# Altium PCB FOC_DRIVER.PcbDoc (part 1 of 4) (continued)
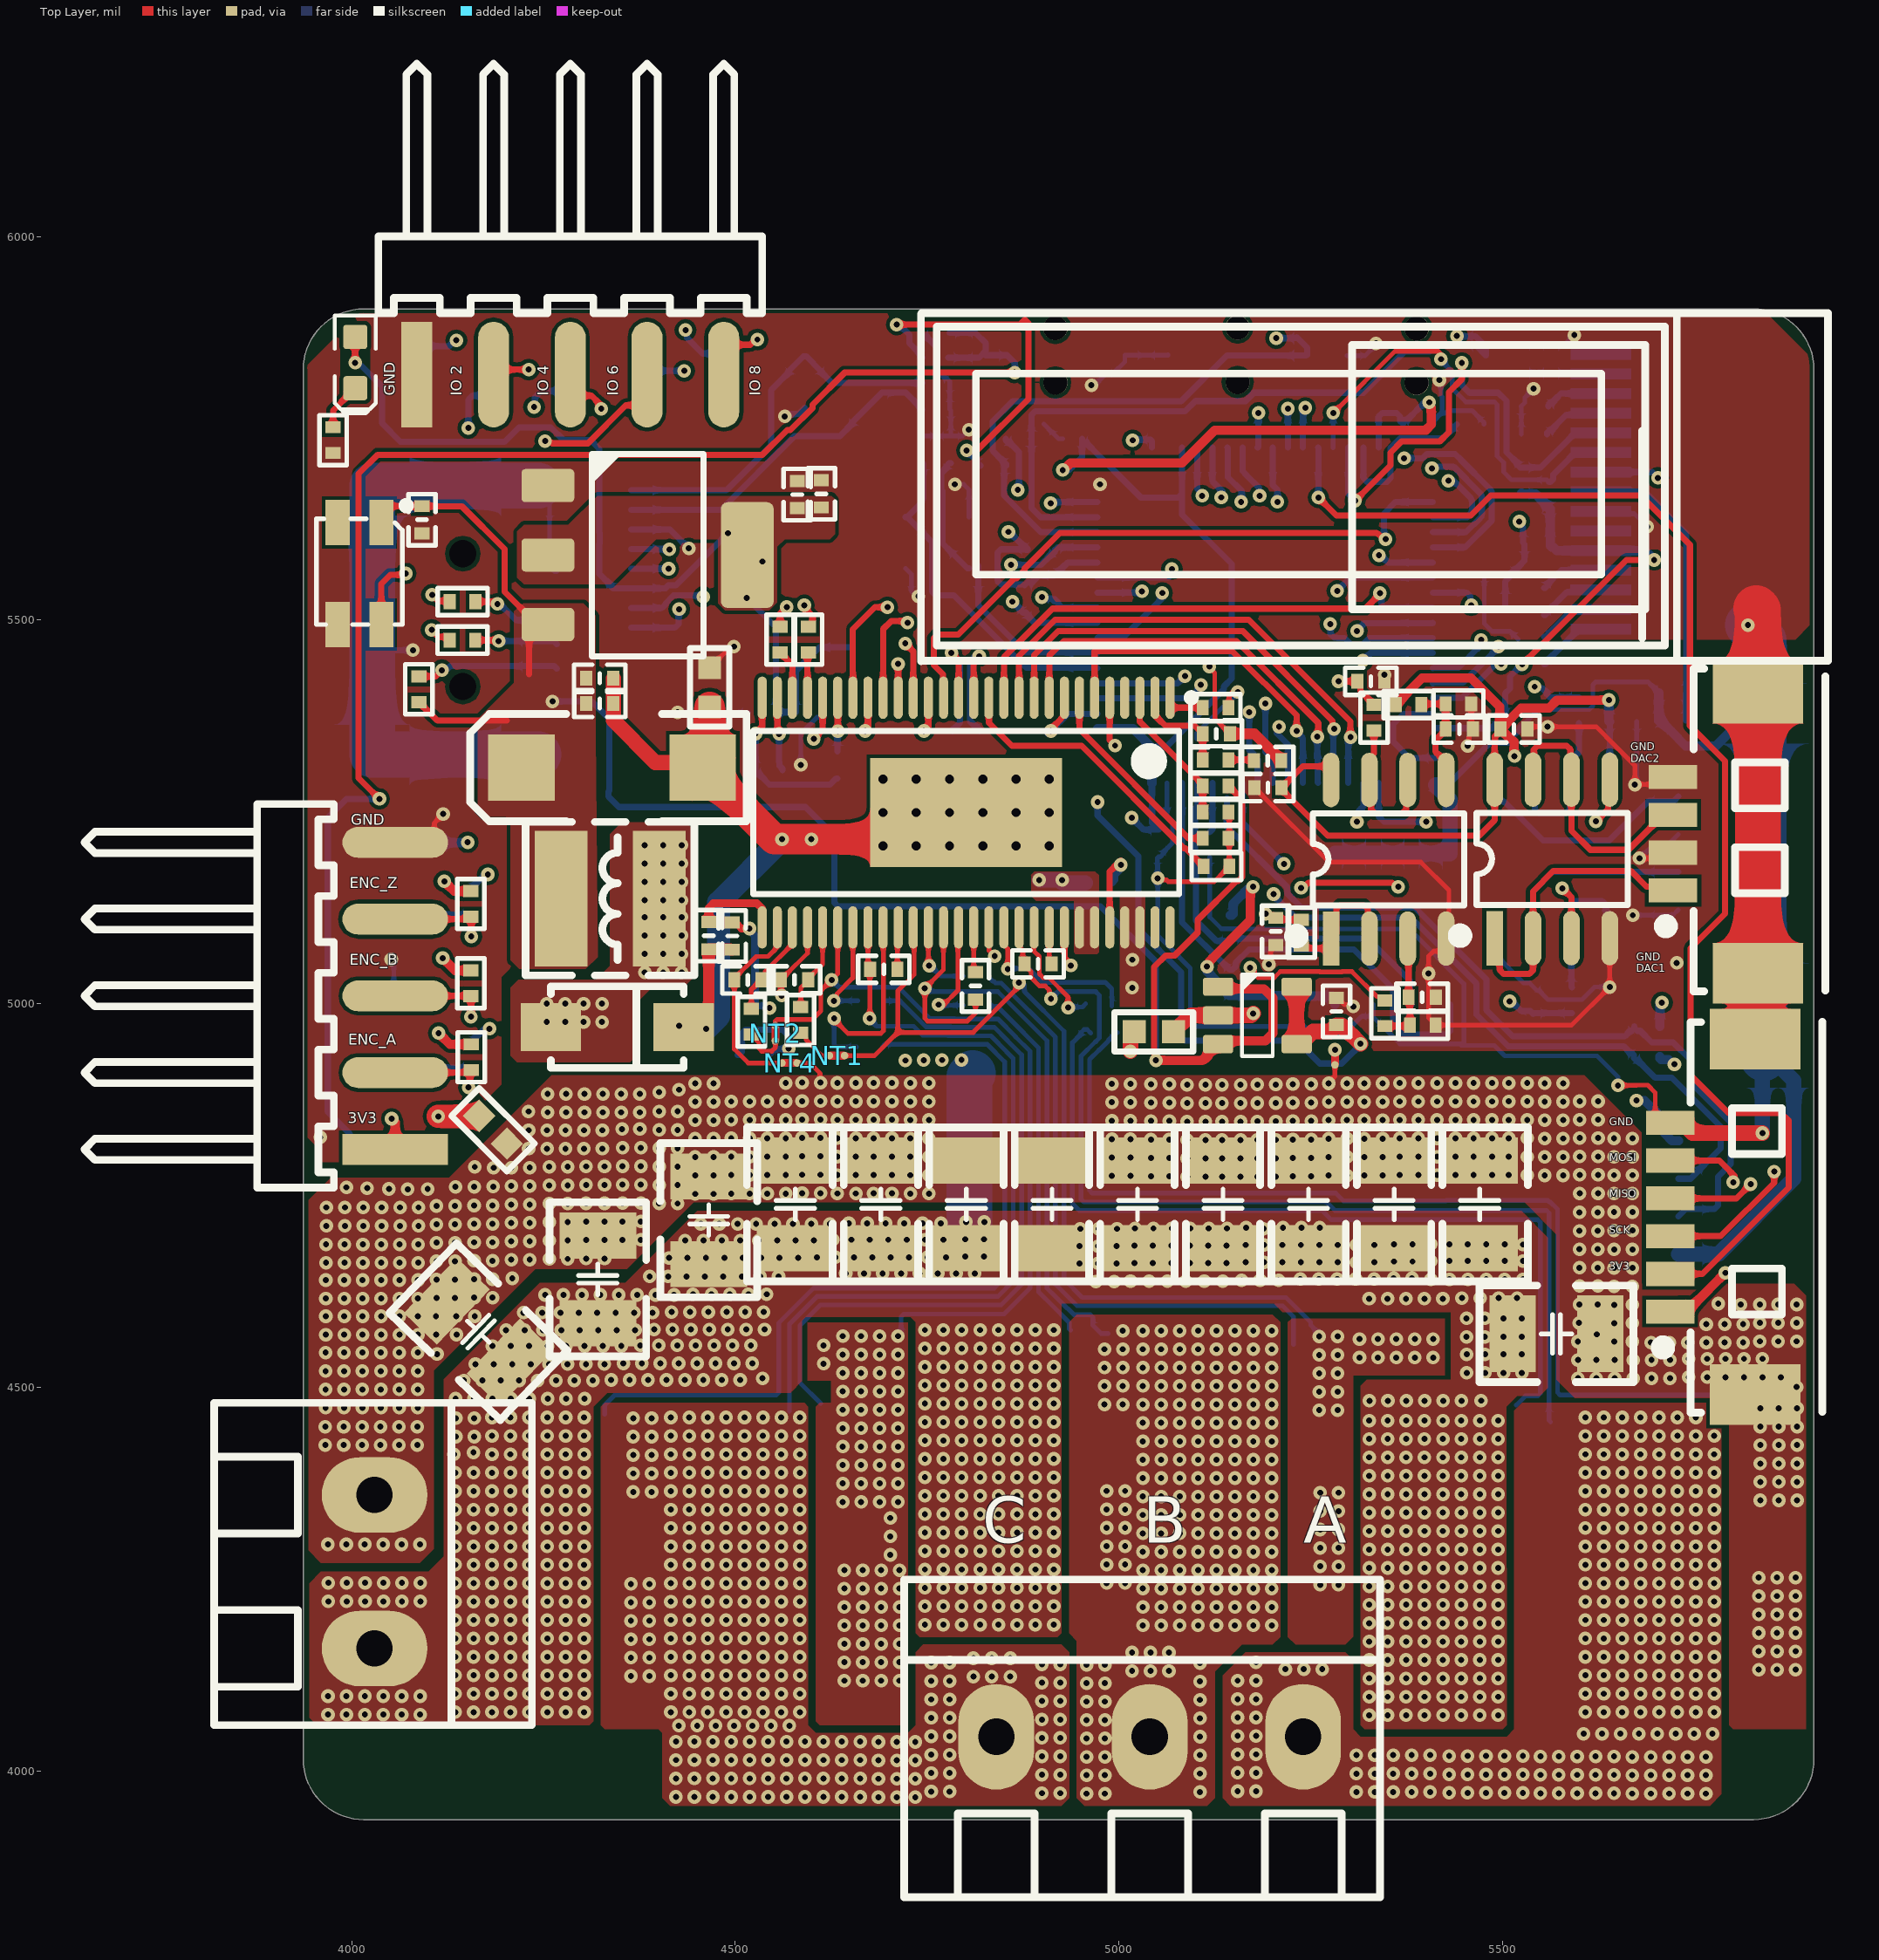
[diagram p0: Top Layer view]
## Footprints (in the part's own frame and the unit in brackets; to place one, negate y for a bottom-side part, rotate by r counter-clockwise, add the part's x,y. Pads: shape width x height; smd on the part's side, far side on the other; paste and mask are expansions set on the pad) (continued)
  rect 3.61x6.35 smd: 57(0,0)
  silkscreen extent -3.92,-7.05 2.7,7.58, body extent -3.1,-7.05 3.1,7.05, height 1.2
USB-MINI-A [mm] "MINI型USB，7.9*7.5*4.1mm"
  rect 0.5x2.3 smd: 1(-1.6,3.108) 2(-0.8,3.108) 3(0,3.108) 4(0.8,3.108) 5(1.6,3.108)
  rect 2x2.5 smd: 5(-4.45,-3) 5(-4.45,2.5) 5(4.45,-3) 5(4.45,2.5)
  round 0.6 hole 0.9 unplated: MH1(2.2,0) MH2(-2.2,0)
  silkscreen extent -4.95,-5.95 4.95,4.89, body extent -4.75,-6 4.75,3.7, height 3.95

## Part data
2 R1 R2 R3 R4 R5 R6 R7 R8 R9 R10 R11 R12 R13 R14 R15 R17 R18 R19 R20 R21 R22 R23 R24 R26 R27 R28 R30 R31 R32 R33 R35 R36 R37 R40 R41 R42 R43 R44 R45 R46 R47 R48 R49 R50 R51 R52 R53 R54 R55: library part R, "贴片电阻", BOM名称=贴片电阻, 版权归属=源创客, 学习资源=www.ooocke.com
C1 C2 C3 C4 C5 C6 C7 C8 C9 C10 C11 C12 C13 C14 C15 C16 C17 C18 C20 C21 C22 C23 C24 C25 C26 C27 C28 C29 C30 C31 C32 C35 C36 C39 C40 C41 C42 C45 C46 C47 C48 C49 C50 C51 C52 C53 C54 C55 C56 C57 C58 C59 C60 C61 C62 C63 C64 C65 C66 C67 C68 C69 C70 C71 C72 C73 C74 C75 C76: library part C, "无极性贴片电容", BOM名称=无极性贴片电容, 版权归属=源创客, 学习资源=www.ooocke.com
D1: "高速开关二极管", BOM名称=高速开关二极管, 版权归属=源创客, 学习资源=www.ooocke.com
D6: "肖特基二极管", BOM名称=肖特基二极管, 版权归属=源创客, 属性=40V/3A, 学习资源=www.ooocke.com
E1: library part C-CD, "贴片钽电容", BOM名称=贴片钽电容, 版权归属=源创客, 学习资源=www.ooocke.com
IC1 IC3 IC4: "双路运放", BOM名称=双路运放, 版权归属=源创客, 学习资源=www.ooocke.com
IC2: "外置EEPROM", BOM名称=外置EEPROM, 版权归属=源创客, 学习资源=www.ooocke.com
JP1 JP3 JP4: library part "Header 4", "4P接插件", BOM名称=4P接插件, 版权归属=源创客, 学习资源=www.ooocke.com
JP2: library part "Header 6", "6P接插件", BOM名称=6P接插件, 版权归属=源创客, 学习资源=www.ooocke.com
JP5 JP6 JP10 JP11: library part "Header 5", "5P接插件", BOM名称=5P接插件, 版权归属=源创客, 学习资源=www.ooocke.com
JP9: library part "Header 3", "3P接插件", BOM名称=3P接插件, 版权归属=源创客, 学习资源=www.ooocke.com
JP12: library part "Header 2", "2P接插件", BOM名称=2P接插件, 版权归属=源创客, 学习资源=www.ooocke.com
L1: library part L-CD, "贴片功率电感", BOM名称=功率电感, 版权归属=源创客, 学习资源=www.ooocke.com
LED1: library part LTST-C190KGKT, "LED GREEN CLEAR 0603 SMD", Current - Test=20mA, Lens Color=Colorless, Manufacturer="Lite-On Inc.", Millicandela Rating=35mcd, Package / Case="0603 (1608 Metric)", Supplier Part Number 1=160-1435-1-ND, Voltage - Forward (Vf) (Typ)=2V, Category=Optoelectronics, Color=Green, ComponentLink1Description=http://optoelectronics.liteon.com/upload/download/DS22-2000-074/S_110_LTST-C190KGKT.pdf, ComponentLink1URL=http://optoelectronics.liteon.com/upload/download/DS22-2000-074/S_110_LTST-C190KGKT.pdf, Features=-, Height (Max)=0.80mm, Lens Style/Size="Rectangle with Flat Top, 1.10mm x 0.80mm", Lens Transparency=Clear, Manufacturer Part Number=LTST-C190KGKT, Mounting Type="Surface Mount", Packaging="Cut Tape (CT)", Part Status=Active, Pricing 1="1=0.27, 10=0.196, 25=0.1448, 100=0.1034, 250=0.07032, 500=0.06204, 1000=0.0486 (USD)", RoHS="RoHS Compliant", Size / Dimension="1.60mm L x 0.80mm W", Stock=922756, Supplier 1=Digi-Key, Viewing Angle=130°, Wavelength - Dominant=571nm, Wavelength - Peak=574nm
NT1 NT2 NT3 NT4: library part NetTie_0.25mm
Q1 Q2 Q3 Q4 Q5 Q6 Q7 Q8 Q9 Q10 Q11 Q12: library part NTMFS4935NT1G, "MOSFET N-CH 30V 13A SO8FL", Current - Continuous Drain (Id) @ 25°C="13A (Ta), 93A (Tc)", Drain to Source Voltage (Vdss)=30V, Drive Voltage (Max Rds On,  Min Rds On)="4.5V, 10V", Input Capacitance (Ciss) (Max) @ Vds="4850pF @ 15V", Manufacturer="ON Semiconductor", Operating Temperature="-55°C ~ 150°C (TJ)", Package / Case="8-PowerTDFN, 5 Leads", Power Dissipation (Max)="930mW (Ta), 48W (Tc)", Supplier Device Package="5-DFN (5x6) (8-SOFL)", Supplier Part Number 1=NTMFS4935NT1GOSCT-ND, Category="Discrete Semiconductor Products", ComponentLink1Description=http://www.onsemi.com/pub_link/Collateral/NTMFS4935N-D.PDF, ComponentLink1URL=http://www.onsemi.com/pub_link/Collateral/NTMFS4935N-D.PDF, FET Feature=-, FET Type=N-Channel, Gate Charge (Qg) (Max) @ Vgs="49.4nC @ 10V", Manufacturer Part Number=NTMFS4935NT1G, Mounting Type="Surface Mount", Packaging="Cut Tape (CT)", Part Status=Active, Pricing 1="1=0.61, 10=0.541, 100=0.4145, 500=0.3277 (USD)", Rds On (Max) @ Id, Vgs="3.2 mOhm @ 30A, 10V", RoHS="RoHS Compliant", Stock 1=932, Supplier 1=Digi-Key, Technology="MOSFET (Metal Oxide)", Vgs (Max)=±20V, Vgs(th) (Max) @ Id="2.2V @ 250µA"
S1 S2 S3: library part KEY_2P, "轻触按键2P"
U1: library part STM32F405RGT6, "ARM Cortex-M4 32-bit MCU+FPU, 210 DMIPS, 1024 kB Flash, 192 kB Internal RAM, 51 I/Os, 64-pin LQFP, -40 to 85 degC, Tray", I/Os (High Current)=51, Manufacturer=STMicroelectronics, Operating Frequency(F) (Processor speed) (MHz)=168, Supplier Part Number 1=497-11767-ND, Supply Voltage(Vcc) max (V)=3.6, Supply Voltage(Vcc) min (V)=1.8, ComponentLink1Description="Manufacturer URL", ComponentLink1URL=http://www.st.com/web/en/home.html, ComponentLink2Description=Datasheet, ComponentLink2URL=http://www.st.com/st-web-ui/static/active/en/resource/technical/document/datasheet/DM00037051.pdf, ComponentLink3Description="Package Specification", ComponentLink3URL=http://www.st.com/st-web-ui/static/active/en/resource/technical/document/datasheet/DM00037051.pdf, Core="ARM Cortex-M4", D/A Converter=2x12-bit, DatasheetVersion="Rev. 4", FLASH Size (Prog) (kB)=1024, Internal RAM Size (kB)=192, Mounting Technology="Surface Mount", PackageDescription="64-Pin Low Profile Quad Flat Package, 10 x 10 mm Body, 0.5 mm Pitch", PackageReference=LQFP64, PackageVersion="Rev. 4, 06/2013", Packing=Tray, PartNumber=STM32F405RGT6, Supplier 1=Digi-Key, Supplier 2=Farnell, Supplier 3=Newark, Supplier 4=Mouser, Supplier Part Number 2=2064363, Supplier Part Number 3=73T2329, Supplier Part Number 4=511-STM32F405RGT6
U3: library part AZ1117EH-3.3TRG1, "IC REG LDO 3.3V 1A SOT223", Current - Limit (Min)=-, Current - Output=1A, Manufacturer="Diodes Incorporated", Operating Temperature="-40°C ~ 125°C", Package / Case="TO-261-4, TO-261AA", Supplier Device Package=SOT-223, Supplier Part Number 1=AZ1117EH-3.3TRG1DICT-ND, Voltage - Dropout (Typical)="1.1V @ 1A", Voltage - Input="Up to 13V", Category="Integrated Circuits (ICs)", ComponentLink1Description=http://www.diodes.com/assets/Datasheets/AZ1117E.pdf, ComponentLink1URL=http://www.diodes.com/assets/Datasheets/AZ1117E.pdf, Mounting Type="Surface Mount", Packaging="Cut Tape (CT)", Part Status=Active, Pricing 1="1=0.43, 10=0.321, 100=0.1815, 500=0.12022, 1000=0.09216 (USD)", Regulator Topology="Positive Fixed", RoHS="RoHS Compliant", Stock 1=22748, Supplier 1=Digi-Key, Voltage - Output=3.3V
U4: library part LP5907MFX-3.3/NOPB, "IC REG LDO 3.3V 0.25A SOT23-5", Current - Limit (Min)=-, Current - Output=250mA, Manufacturer="Texas Instruments", Operating Temperature="-40°C ~ 125°C", Package / Case="SC-74A, SOT-753", Supplier Device Package=SOT-23, Supplier Part Number 1=296-38557-1-ND, Voltage - Input="Up to 5.5V", Category="Integrated Circuits (ICs)", ComponentLink1Description=http://www.ti.com/lit/ds/symlink/lp5907.pdf, ComponentLink1URL=http://www.ti.com/lit/ds/symlink/lp5907.pdf, Mounting Type="Surface Mount", Packaging="Cut Tape (CT)", Part Status=Active, Pricing 1="1=0.57, 10=0.487, 100=0.3634, 500=0.28552, 1000=0.22063 (USD)", Regulator Topology="Positive Fixed", RoHS="RoHS Compliant", Stock 1=39845, Supplier 1=Digi-Key, Voltage - Dropout (Typical)=-, Voltage - Output=3.3V
U5: library part DRV8301, "MOTOR DRIVER, 3PH, 56HTSSOP"
USB1: "微型USB母座", BOM名称=微型USB母座, 版权归属=源创客, 学习资源=www.ooocke.com
XT1 XT2: library part ABM3B-8.000MHZ-10-1-U-T, "Crystal 8MHz ±10ppm 10pF 200 Ohm -10°C ~ 60°C Surface Mount 4-SMD, No Lead (DFN, LCC)", Frequency Stability=±10ppm, Load Capacitance=10pF, Manufacturer="Abracon LLC", Operating Mode=Fundamental, Operating Temperature="-10°C ~ 60°C", Package / Case="4-SMD, No Lead", Ratings=-, Supplier Part Number 1=535-9721-1-ND, Category="Crystals, Oscillators, Resonators", ComponentLink1Description=http://www.abracon.com/Resonators/abm3b.pdf, ComponentLink1URL=http://www.abracon.com/Resonators/abm3b.pdf, Frequency Tolerance=±10ppm, Height - Seated (Max)="0.043\" (1.10mm)", Manufacturer Part Number=ABM3B-8.000MHZ-10-1-U-T, Mounting Type="Surface Mount", Packaging="Cut Tape (CT)", Part Status=Active, Pricing 1="1=0.69, 10=0.578, 50=0.5198, 100=0.462, 500=0.4389 (USD)", Pricing 2="1000=0.336, 3000=0.315, 5000=0.3045, 10000=0.294 (USD)", RoHS="RoHS Compliant", Size / Dimension="0.197\" L x 0.126\" W (5.00mm x 3.20mm)", Stock=35437, Supplier 1=Digi-Key, Supplier 2=Digi-Key, Supplier Part Number 2=535-9721-2-ND, Type="MHz Crystal"

## Via types
v1: diameter 17.72, hole 7.87, Top Layer to Bottom Layer, 2327 vias
v2: diameter 27.56, hole 11.81, Top Layer to Bottom Layer, 18 vias

## Nets (pads, with @x,y where several pads share a name; then routed paths per layer and width w, separated by ;. In a path a pad name is that pad's centre, name@x,y a point inside that pad or via, vN(x,y) a via of type N, cw(c..) or ccw(c..) an arc to the next point about the centre after c; other vN are vias at no path point)
+5: C31.1 C32.1 C45.1 E1.1 L1.2 R1.2 R41.1 U3.3 U4.1 U4.3 U10.1 | length 2381.5
  Top Layer w8: U10.1@4038.74,5627.2 4038.74,5636.77 4050.49,5648.52 C45.1@4091.7,5648.52 4143.48,5648.52 4199.4,5592.6 4199.4,5537.07 4231.3,5505.17 4231.3,5429.48 ; R1.2@4087.7,5393.29 4089.67,5393.29 4093.54,5389.41 4093.54,5387.44 4111.68,5369.3 4202.3,5369.3 ; v1(5048.2,4926.3) 5046.34,4928.16 5046.34,4935.03 5045.62,4935.75 5045.62,5047.9 5060.85,5063.13 5072.72,5063.13 5102.3,5092.71 5102.3,5109.2 5153.25,5160.15 5155.32,5160.15 5160.59,5165.43 5160.59,5265.81 5148.36,5278.04 5146.39,5278.04 5142.51,5281.91 R41.1@5142.51,5283.88 ; U4.3@5129.12,4947.5 U4.3@5133.6,4951.98 ; U4.1@5129.12,5022.3 U4.1@5131.82,5019.6
  Top Layer w12: v1(5048.2,4926.3) 5105.87,4926.3 ccw(c5105.87,4938.3) U4.3@5117.65,4935.99 ; U4.3@5117.66,4936.04 U4.3@5129.12,4947.5 ; U4.1@5131.82,5019.6 5188.86,5019.6 5200.8,5007.66 5200.8,4962.14 5190.64,4951.98 U4.3@5133.6,4951.98
  Bottom Layer w8: v1(4261.9,5394.1) 4312.8,5394.1 4335.6,5371.3 4335.6,5277.5 4334.81,5276.71 4334.81,5270.09 4348.5,5256.4 4591.5,5256.4 4629,5218.9 4629,5131.89 4633.69,5127.2 4975.88,5127.2 5048.2,5054.88 v1(5048.2,4926.3)
ADC_1: C42.1 R27.2 U1.10 | length 743.8
  GND w8: v1(5029.96,5537.65) 5029.96,5536.5 5062.66,5503.8 5208.83,5503.8 5217.95,5512.92 5364.11,5512.92 5383.03,5494 5479.4,5494 5489.2,5503.8 5514.72,5503.8 5545.69,5472.83 5545.69,5420.07 5541.54,5415.93 v1(5541.54,5413.3)
  Bottom Layer w8: U1.10@4972,5535.83 5028.14,5535.83 v1(5029.96,5537.65) ; v1(5541.54,5413.3) 5543.4,5411.44 5551.48,5411.44 5557.56,5405.36 5557.56,5403.39 5561.43,5399.52 C42.1@5563.4,5399.52 5563.6,5399.31 R27.2@5599.5,5399.31
ADC_1IN: IC4.5 JP4.1 | length 308.3
  Bottom Layer w8: IC4.5@5489.4,5292.15 5489.4,5271.23 5495.71,5264.93 5499.05,5264.93 5500.91,5263.06 5502.57,5263.06 5552.63,5213 5638.8,5213 5690.1,5264.3 5722.99,5264.3 JP4.1@5728.91,5270.23
ADC_2: C25.1 R22.2 U1.11 | length 1230
  GND w8: v1(5068.92,5566.6) 5470.3,5566.6 5576.31,5460.59 5576.31,5353.7 5559.4,5336.8 5559.4,5054.3 5508.95,5003.85 v1(5508.95,5003.44)
  Bottom Layer w8: U1.11@4972,5555.51 5064.24,5555.51 5067.06,5558.34 5067.06,5564.74 v1(5068.92,5566.6) ; v1(5508.95,5003.44) 5511.46,5003.44 5524.41,4990.49 5536.1,4990.49 C25.1@5539.6,4986.98 5540.6,4987.99 R22.2@5590.1,4987.99
ADC_2IN: IC4.3 JP4.3 | length 261
  Bottom Layer w8: IC4.3@5539.4,5085.45 5539.4,5146.5 5564.7,5171.8 JP4.3@5728.91,5171.8
AGND: C4.1 C22.2 C23.1 C24.2 C25.2 C26.1 C35.1 C36.2 C39.2 C40.2 C42.2 C56.1 C58.1 C61.2 C62.2 IC1.4 IC3.4 IC4.4 JP1.2 JP1.4 JP4.2 JP4.4 R23.1 R28.1 R32.2 U1.12 U4.2 U5.28 | length 3530.8
  Top Layer w6: C23.1@5176.38,5281.8 5176.38,5279.83 5181.26,5274.96 5183.23,5274.96 5273.42,5184.76 5393.14,5184.76 5429.9,5148 5429.9,5121 5429.2,5120.3 5429.2,5088.05 IC3.4@5426.2,5085.05 5426.2,5075.97 5418.97,5068.74 5409.89,5068.74 5403.4,5062.25 5403.4,4981.67 5412.73,4972.35 R23.1@5412.56,4972.18 5589.68,4972.18 v1(5639.4,5021.9) IC1.4@5639.4,5085.45 ; v1(5195.17,5051.44) 5197.35,5053.62 5197.35,5071.81 5202.23,5076.69 C22.2@5204.2,5076.69 ; C36.2@5283.3,5007.81 5285.27,5007.81 5294.23,4998.86 5302.96,4998.86 v1(5305.2,4996.62) ; v1(5345.91,5428.84) 5345.91,5437.39 C39.2@5345.91,5420.3 C39.2@5350.79,5425.17 ; v1(5454.28,5336.04) 5455.93,5337.69 5455.93,5347.64 5456.24,5347.95 5456.24,5353.12 C40.2@5461.11,5358 5459.05,5360.06 R28.1@5459.05,5390.8 ; C4.1@5532.32,5358.2 5535.22,5361.1 v1(5558.45,5361.1) 5621.68,5361.1 5647.2,5335.58 5672.2,5310.58 v1(5672.2,5285.5) 5672.7,5286 5684.96,5286 5712.48,5286.01 JP1.4@5721.95,5295.48 ; v1(5678.1,5189.8) 5714.7,5189.8 JP1.2@5721.95,5197.05
  Top Layer w8: v1(4526.4,5352.2) 4526.4,5352.72 4535.05,5361.37 U5.28@4535.05,5398.91
  Top Layer w20: R32.2@5070.98,4963.5 5092.38,4984.9 U4.2@5129.12,4984.9 5172.3,4984.9 v1(5174.8,4987.4)
  POWER w6: 5337.7,5413.4 5345.91,5421.61 v1(5345.91,5428.84)
  GND w8: v1(4855.9,5615) 4707.7,5615 4637,5544.3 4637,5462.8 v1(4526.4,5352.2) 4526.4,5322 4665.5,5182.9 4978.89,5182.9 5018.13,5222.14 5127.22,5222.14 5161.46,5256.38
  Bottom Layer w6: IC4.4@5489.4,5085.45 5489.4,5065.08 5527.2,5027.29 5534.72,5027.29 5544.47,5017.54 5547.06,5017.54 5559.02,5005.58 5603.26,5005.58 5619.58,5021.9 v1(5639.4,5021.9) ; v1(5558.45,5361.1) 5558.45,5359.2 5556.56,5357.31 5556.56,5359.21 5561.43,5364.09 C42.2@5563.4,5364.09 ; v1(5669.4,5115.5) 5719.22,5115.5 5720.42,5116.7 5721.72,5115.4 JP4.4@5728.91,5122.59 ; v1(5672.2,5285.5) 5672.2,5288.67 5674.62,5291.09 C26.1@5674.62,5367.7 ; v1(5678.1,5189.8) 5678.8,5189.8 5697.27,5208.27 5716.17,5208.27 JP4.2@5728.91,5221.02
  Bottom Layer w8: v1(4526.4,5352.2) 4526.4,5305.12 C58.1@4525.78,5304.5 4525.78,5302.53 4529.66,5298.66 4531.63,5298.66 4544.62,5285.66 4623.21,5285.66 4631.13,5293.58 C56.1@4633.1,5293.58 ; v1(4855.9,5615) 4857.18,5615 4875.14,5597.04 4877.11,5597.04 4880.98,5593.17 C35.1@4880.98,5591.2 4878.21,5591.2 4877.11,5592.3 4846.11,5592.3 4841.43,5587.61 4841.43,5551.43 4846.11,5546.75 4875.36,5546.75 C61.2@4876.8,5545.31 4880.67,5549.19 4886.33,5549.19 4894.8,5557.66 4915.64,5557.66 C62.2@4917.8,5559.81 4919.77,5559.81 4923.64,5563.69 4923.64,5565.66 4933.16,5575.18 U1.12@4972,5575.2
  other v1: 5403.4,5039.58 5726.7,5053.3
AH: U1.41 U5.17 | length 767.8
  Top Layer w8: v1(4745.7,5355.6) 4751.59,5361.49 U5.17@4751.59,5398.91
  GND w8: v1(4745.7,5355.6) 4862.5,5472.4 5295.76,5472.4 5309.3,5485.94 v1(5310.1,5485.94)
  Bottom Layer w8: v1(5310.1,5485.94) 5310.1,5486.66 5319.64,5496.2 5408.75,5496.2 U1.41@5409,5496.46
AL: U1.34 U5.18 | length 1114.2
  Top Layer w8: v1(4721.44,5469.76) 4731.9,5459.3 U5.18@4731.9,5398.91
  POWER w8: v1(4721.44,5469.76) 4723.3,5471.62 4731.02,5471.62 4744.8,5485.4 4820.5,5485.4 4829.15,5476.75 5069.65,5476.75 5112.78,5519.88 5112.78,5612.82 5084.64,5640.96 5084.64,5666.96 5097.71,5680.02 5400.34,5680.02 5415.95,5680.01 ccw(c5415.91,5688.01) 5419.32,5680.78 5421.75,5681.93 cw(c5425.18,5674.7) v1(5429.13,5681.65)
  Bottom Layer w8: U1.34@5409,5634.25 5453.47,5634.25 5457.46,5638.24 ccw(c5451.8,5643.9) 5459.8,5643.9 5459.8,5654.54 ccw(c5451.8,5654.54) 5457.46,5660.19 5437.79,5679.87 ccw(c5432.11,5674.23) v1(5429.13,5681.65)
AVCC3v3: C4.2 C23.2 C26.2 C35.2 C36.1 IC1.8 IC3.8 IC4.8 R24.2 U1.13 U4.4 U4.5 U5.24 | length 3421.6
  Top Layer w8: v1(4602.16,5345.36) 4602.16,5345.53 4613.79,5357.16 U5.24@4613.79,5398.91 ; IC3.8@5276.2,5291.75 5276.2,5303.14 5269.89,5309.45 5239.47,5309.45 5217.66,5287.64 5215.69,5287.64 5211.81,5283.77 C23.2@5211.81,5281.8 5215.69,5277.92 5215.69,5275.44 5271.73,5219.4 5469.4,5219.4 5489.4,5239.4 IC1.8@5489.4,5292.15 5489.4,5348.75 C4.2@5496.89,5356.23
  Top Layer w12: R24.2@5360.39,5390 5360.39,5391.97 5362.26,5393.85 5364.23,5393.85 5394.84,5424.46 5458.67,5424.46 5471.48,5411.65 5496.11,5387.02 5496.11,5358.98 C4.2@5496.89,5358.2 ; C4.2@5500.73,5354.36 5509.31,5345.78 ; C4.2@5500.73,5362.05 5523.98,5385.3 5560.2,5385.3 5570.8,5395.9 v1(5638.3,5395.9) ; 5510.4,5345.78 5514.7,5341.48 5514.7,5323.33 v1(5515.23,5322.8)
  Top Layer w20: U4.4@5231.48,4947.5 5239.36,4947.5 5241.17,4949.31 5241.17,4952.24 5252.88,4963.96 5274.87,4963.96 C36.1@5283.3,4972.38 5290.14,4972.38 v1(5314.64,4947.88) ; U4.4@5231.48,4952.24 U4.5@5231.48,5022.3
  POWER w8: v1(4602.16,5345.36) 4602.16,5345.06 4615.83,5358.73 4615.83,5362.83 4645.3,5392.3 4931.5,5392.3 4969.3,5354.5 4969.3,5265.7 v1(4972.1,5262.9)
  GND w8: v1(4602.16,5345.36) 4602.16,5345.06 4615.83,5358.73 4615.83,5362.83 4650.9,5397.9 4650.9,5539.82 4683.44,5572.36 v1(4859.29,5572.36)
  GND w20: v1(5314.64,4947.88) 5314.64,4968.14 5362.22,5015.72 5422.12,5015.72 5529.4,5123 5529.4,5311.08 5517.68,5322.8 v1(5515.23,5322.8)
  Bottom Layer w8: v1(4859.29,5572.36) 4898.51,5572.36 4911.51,5585.36 4912.54,5585.36 4916.41,5589.23 C35.2@4916.41,5591.2 4920.09,5594.88 U1.13@4972,5594.88 ; v1(4972.1,5262.9) 4972.1,5245.3 5025,5192.4 5025,5097.3 5080.9,5041.4 5080.9,4956.66 5085.59,4951.98 5231.82,4951.98 5261.56,4922.24 5290.24,4922.24 5314.64,4946.64 v1(5314.64,4947.88) ; C26.2@5639.19,5367.7 5639.4,5367.48 IC4.8@5639.4,5292.15
  Bottom Layer w12: v1(5638.3,5395.9) 5638.3,5368.58 C26.2@5639.19,5367.7
BH: U1.42 U5.19 | length 785.4
  Top Layer w8: v1(4712.1,5443.06) 4712.16,5443 4712.16,5398.96 U5.19@4712.22,5398.91
  GND w8: v1(4712.1,5443.06) 4712.76,5442.4 4741.2,5442.4 4784.2,5485.4 5262.85,5485.4 5272.51,5495.06 v1(5275.14,5495.06)
  Bottom Layer w8: v1(5275.14,5495.06) 5275.56,5494.64 5275.56,5481.98 5280.24,5477.29 5283.87,5477.29 5284.39,5476.77 5294.01,5476.77 5302.7,5468.08 5317.5,5468.08 5326.19,5476.77 U1.42@5409,5476.77
BL: U1.35 U5.20 | length 1197.9
  Top Layer w8: U5.20@4692.53,5398.91 4692.53,5488.33 4703.2,5499 4722.03,5499 v1(4724.38,5496.64)
  POWER w8: v1(4724.38,5496.64) 4726.74,5499 4825.28,5499 4825.88,5498.4 4834.54,5489.75 5063.05,5489.75 5099.78,5526.48 5099.78,5607.43 5071.64,5635.57 5071.64,5672.34 5092.32,5693.02 5400.25,5693.02
  Bottom Layer w8: v1(5407.74,5697.87) 5409.6,5699.73 5416.47,5699.73 5417,5700.26 5435.78,5700.26 5470.41,5665.63 cw(c5464.8,5659.93) 5472.8,5659.93 5472.8,5638.51 cw(c5464.8,5638.51) 5470.46,5632.86 5452.17,5614.57 U1.35@5409,5614.57
BOOT0: R14.2 U1.60 | length 65.4
  Bottom Layer w8: R14.2@5118.1,5223.81 5121.6,5227.32 U1.60@5121.6,5287.8
CH: U1.43 U5.21 | length 852.5
  Top Layer w8: v1@4668.5,5354.9 v1(4669.2,5355.6) 4672.85,5359.25 U5.21@4672.85,5398.91
  GND w8: v1(4669.2,5355.6) 4687.06,5337.74 4753.1,5337.74 4874.76,5459.4 5305.68,5459.4 v1(5317.84,5447.24)
  Bottom Layer w8: v1(5317.84,5447.24) 5327.69,5457.09 U1.43@5409,5457.09
CL: U1.36 U5.22 | length 1301.7
  Top Layer w8: U5.22@4653.16,5398.91 4653.16,5487.96 4682.1,5516.9 v1(4698.2,5516.9)
  POWER w8: v1(4698.2,5516.9) 4727.47,5516.9 4731.24,5513.13 4734.39,5513.13 4734.52,5513 4831.3,5513 4840.4,5503.9 5058.6,5503.9 5086.78,5532.08 5086.78,5602.05 5058.64,5630.19 5058.64,5677.73 5087.22,5706.3 5366.91,5706.3 v1(5371.46,5710.88)
  Bottom Layer w8: v1(5371.46,5710.88) 5395.49,5710.88 5401,5716.39 5438.04,5716.39 5444.92,5709.5 cw(c5430.12,5694.61) 5444.99,5709.44 5483.37,5671.06 cw(c5477.74,5665.38) 5483.45,5670.98 cw(c5477.8,5665.31) 5485.8,5665.35 ; U1.36@5409,5594.88 5450.87,5594.88 5485.8,5629.82 5485.8,5665.31
DAC1: IC1.1 IC1.2 JP1.1 | length 397.2
  Top Layer w8: IC1.1@5489.4,5085.45 5496.23,5078.63 5496.23,5043.8 5500.91,5039.11 5534.71,5039.11 5539.4,5043.8 IC1.2@5539.4,5085.45 5539.4,5146.5 5565.9,5173 5667.1,5173 5687.44,5152.66 5706.34,5152.66 JP1.1@5718.09,5140.91
DAC2: IC1.6 IC1.7 JP1.3 | length 353.1
  Top Layer w8: IC1.7@5539.4,5292.15 5540.68,5293.43 5540.68,5331.75 5545.37,5336.44 5583.43,5336.44 5588.12,5331.75 5588.12,5293.43 IC1.6@5589.4,5292.15 5589.4,5225.6 5614.3,5200.7 5663.7,5200.7 5702.34,5239.34 JP1.3@5718.09,5239.34
DAC_OUT1: IC1.3 U1.20 | length 1025
  Top Layer w8: v1(5577.6,5150.6) 5589.4,5138.8 IC1.3@5589.4,5085.45
  GND w8: v1(5108.31,5662.14) 5109.06,5661.4 5109.06,5649.22 5134.94,5623.34 5388.16,5623.34 5431.9,5579.6 5475.68,5579.6 5589.31,5465.98 5589.31,5348.32 5577.6,5336.61 v1(5577.6,5150.6)
  Bottom Layer w8: U1.20@5101.92,5724.8 5101.92,5671.08 5107.2,5665.8 5107.2,5663.26 v1(5108.31,5662.14)
DAC_OUT2: IC1.5 U1.21 | length 938.1
  Top Layer w8: v1(5621.3,5237.7) 5637.13,5253.53 5637.13,5289.88 IC1.5@5639.4,5292.15
  GND w8: v1(5133.2,5659.94) 5135.06,5658.08 5135.06,5651.21 5135.4,5650.87 5135.4,5645.95 5145.01,5636.34 5393.54,5636.34 5437.28,5592.6 5481.07,5592.6 5602.31,5471.36 5602.31,5342.93 5590.6,5331.23 5590.6,5268.4 v1(5621.3,5237.7)
  Bottom Layer w8: U1.21@5121.6,5724.8 5121.6,5681 5134.62,5667.98 5134.62,5661.36 v1(5133.2,5659.94)
DC_CAL: U1.40 U5.12 | length 662.8
  Top Layer w8: U5.12@4850.01,5398.91 4850.01,5451.9 4913.12,5515 5321.01,5515 5339.96,5533.96 v1(5339.96,5535.2)
  Bottom Layer w8: v1(5339.96,5535.2) 5341.82,5533.34 5341.82,5520.21 5345.89,5516.14 U1.40@5409,5516.14
DCBUS: C48.1 C49.1 C50.1 C59.2 C60.2 C64.2 C65.2 C66.2 C67.2 C68.2 C69.2 C70.2 C71.2 C72.2 C73.2 C74.2 C75.2 C76.2 JP12.2 Q1.D Q2.D Q3.D Q4.D Q5.D Q6.D R15.2 U5.29 U5.53 U5.54 | length 1366.3
  Top Layer w6: v1(5170.89,5047.06) 5170.89,5044.21 5180.9,5034.2 5202.3,5034.2 5210.21,5042.11 5261.57,5042.11 5262.06,5041.62 5290.34,5041.62 5290.83,5042.11 5303.29,5042.11 5336.01,5009.39 5341.53,5009.39 R15.2@5346.4,5004.51
  Top Layer w10: C49.1@4496,5106.07 4465.94,5106.07 C48.1@4465.4,5106.62 4465.4,5125.14 4471.26,5131 4528.29,5131 4534.71,5124.58 4534.71,5100.04 U5.29@4535.05,5099.69 ; C49.1@4500.26,5105.84 4508,5098.1 v1(4518.4,5098.1)
  POWER w6: v1(5017.1,5021) 5158.49,5021 5170.89,5033.4 v1(5170.89,5047.06)
  GND w40: 4526.69,5089.81 4526.69,4994.4 4569.56,4951.53 v1(4569.56,4941.68) 4571.32,4943.44 4725.76,4943.44 4727,4942.2
  Bottom Layer w8: C59.2@4502.9,4933.21 4504.87,4933.21 4508.74,4937.09 4508.74,4961.39 4513.43,4966.08 4561.76,4966.08 4572.65,4955.19 4572.65,4947.4 4569.56,4944.31 v1(4569.56,4941.68) ; C60.2@4525.51,5003.3 4525.51,5001.33 4529.39,4997.46 4538.91,4997.46 4541.97,4994.4 4542.15,4994.58 v1(4544.6,4994.58) ; C50.1@4542.9,4934.03 4544.87,4934.03 4551.94,4941.1 v1@4571.87,4941.1
  Bottom Layer w10: v1(4518.4,5098.1) 4518.4,5096.01 4525.51,5088.9 C60.2@4525.51,5003.3
  Bottom Layer w60: 4805,4684.5 4805,4904.96 4809.4,4909.36
  other v1: 5326,4073 5350,4073 5374,4073 5398,4073 5422,4073 5446,4073 5470,4073 5494,4073 3969.3,4073.9 3993.3,4073.9 4017.3,4073.9 4041.3,4073.9 4065.3,4073.9 4089.3,4073.9 4135,4077 4159,4077 4183,4077 4207,4077 4231,4077 4255,4077 4279,4077 4303,4077 5326,4097 5350,4097 5374,4097 5398,4097 5422,4097 5446,4097 5470,4097 5494,4097 3969.3,4097.9 3993.3,4097.9 4017.3,4097.9 4041.3,4097.9 4065.3,4097.9 4089.3,4097.9 4135,4101 4159,4101 4183,4101 4207,4101 4231,4101 4255,4101 4279,4101 4303,4101 5326,4121 5350,4121 5374,4121 5398,4121 5422,4121 5446,4121 5470,4121 5494,4121 4135,4125 4159,4125 4183,4125 4207,4125 4231,4125 4255,4125 4279,4125 4303,4125 5326,4145 5350,4145 5374,4145 5398,4145 5422,4145 5446,4145 5470,4145 5494,4145 4135,4149 4159,4149 4183,4149 4207,4149 4231,4149 4255,4149 4279,4149 4303,4149 5326,4169 5350,4169 5374,4169 5398,4169 5422,4169 5446,4169 5470,4169 5494,4169 4135,4173 4159,4173 4183,4173 4207,4173 4231,4173 4255,4173 4279,4173 4303,4173 4747,4191 4771,4191 4795,4191 4819,4191 4843,4191 4867,4191 4891,4191 4915,4191 5326,4193 5350,4193 5374,4193 5398,4193 5422,4193 5446,4193 5470,4193 5494,4193 4135,4197 4159,4197 4183,4197 4207,4197 4231,4197 4255,4197 4279,4197 4303,4197 4747,4215 4771,4215 4795,4215 4819,4215 4843,4215 4867,4215 4891,4215 4915,4215 5326,4217 5350,4217 5374,4217 5398,4217 5422,4217 5446,4217 5470,4217 5494,4217 3969.6,4221.4 3993.6,4221.4 4017.6,4221.4 4041.6,4221.4 4065.6,4221.4 4089.6,4221.4 4135,4221 4159,4221 4183,4221 4207,4221 4231,4221 4255,4221 4279,4221 4303,4221 4747,4239 4771,4239 4795,4239 4819,4239 4843,4239 4867,4239 4891,4239 4915,4239 5326,4241 5350,4241 5374,4241 5398,4241 5422,4241 5446,4241 5470,4241 5494,4241 3969.6,4245.4 3993.6,4245.4 4017.6,4245.4 4041.6,4245.4 4065.6,4245.4 4089.6,4245.4 4135,4245 4159,4245 4183,4245 4207,4245 4231,4245 4255,4245 4279,4245 4303,4245 4747,4263 4771,4263 4795,4263 4819,4263 4843,4263 4867,4263 4891,4263 4915,4263 5326,4265 5350,4265 5374,4265 5398,4265 5422,4265 5446,4265 5470,4265 5494,4265 4135,4269 4159,4269 4183,4269 4207,4269 4231,4269 4255,4269 4279,4269 4303,4269 4747,4287 4771,4287 4795,4287 4819,4287 4843,4287 4867,4287 4891,4287 4915,4287 5326,4289 5350,4289 5374,4289 5398,4289 5422,4289 5446,4289 5470,4289 5494,4289 4135,4293 4159,4293 4183,4293 4207,4293 4231,4293 4255,4293 4279,4293 4303,4293 4747,4311 4771,4311 4795,4311 4819,4311 4843,4311 4867,4311 4891,4311 4915,4311 5326,4313 5350,4313 5374,4313 5398,4313 5422,4313 5446,4313 5470,4313 5494,4313 4135,4317 4159,4317 4183,4317 4207,4317 4231,4317 4255,4317 4279,4317 4303,4317 4747,4335 4771,4335 4795,4335 4819,4335 4843,4335 4867,4335 4891,4335 4915,4335 5326,4337 5350,4337 5374,4337 5398,4337 5422,4337 5446,4337 5470,4337 5494,4337 4135,4341 4159,4341 4183,4341 4207,4341 4231,4341 4255,4341 4279,4341 4303,4341 4747,4359 4771,4359 4795,4359 4819,4359 4843,4359 4867,4359 4891,4359 4915,4359 5326,4361 5350,4361 5374,4361 5398,4361 5422,4361 5446,4361 5470,4361 5494,4361 4135,4365 4159,4365 4183,4365 4207,4365 4231,4365 4255,4365 4279,4365 4303,4365 4747,4383 4771,4383 4795,4383 4819,4383 4843,4383 4867,4383 4891,4383 4915,4383 5326,4385 5350,4385 5374,4385 5398,4385 5422,4385 5446,4385 5470,4385 5494,4385 4135,4389 4159,4389 4183,4389 4207,4389 4231,4389 4255,4389 4279,4389 4303,4389 4747,4407 4771,4407 4795,4407 4819,4407 4843,4407 4867,4407 4891,4407 4915,4407 5326,4409 5350,4409 5374,4409 5398,4409 5422,4409 5446,4409 5470,4409 5494,4409 4133.4,4413 4183,4413 4207,4413 4231,4413 4255,4413 4279,4413 4303,4413 4158.8,4415.4 4747,4431 4771,4431 4795,4431 4819,4431 4843,4431 4867,4431 4891,4431 4915,4431 5326,4433 5350,4433 5374,4433 5398,4433 5422,4433 5446,4433 5470,4433 5494,4433 4135.8,4436 4159.8,4436 4183,4437 4207,4437 4231,4437 4255,4437 4279,4437 4303,4437 4747,4455 4771,4455 4795,4455 4819,4455 4843,4455 4867,4455 4891,4455 4915,4455 5326,4457 5350,4457 5374,4457 5398,4457 5422,4457 5446,4457 5470,4457 5494,4457 4135.8,4460 4159.8,4460 4183,4461 4207,4461 4231,4461 4255,4461 4279,4461 4303,4461 4747,4479 4771,4479 4795,4479 4819,4479 4843,4479 4867,4479 4891,4479 4915,4479 5326.3,4482.7 5350.3,4482.7 5374.3,4482.7 5398.3,4482.7 5422.3,4482.7 5446.3,4482.7 5471.8,4482.9 4135.5,4485.5 4159.5,4485.5 4183.5,4485.5 4207.5,4485.5 4231.5,4485.5 4255.5,4485.5 4279.5,4485.5 4303.5,4485.5 4747,4503 4771,4503 4795,4503 4819,4503 4843,4503 4867,4503 4891,4503 4915,4503 4146.3,4509.1 4170.3,4509.1 4194.3,4509.1 4218.3,4509.1 4242.3,4509.1 4266.3,4509.1 4290.3,4509.1 4314.3,4509.1 4338.3,4509.9 4362.3,4509.9 4386.3,4509.9 4410.3,4509.9 4434.3,4509.9 4458.3,4509.9 4482.3,4509.9 4506.3,4509.9 4535.4,4512 5453,4519.2 5477,4519.2 5501,4519.2 5525,4519.2 4747,4527 4771,4527 4795,4527 4819,4527 4843,4527 4867,4527 4891,4527 4915,4527 4161.4,4530.6 4185.4,4530.6 4209.4,4530.6 4233.4,4530.6 4257.4,4530.6 4281.4,4530.6 4305.4,4530.6 4329.4,4530.6 4354.2,4531.5 4378.2,4531.5 4402.2,4531.5 4426.2,4531.5 4450.2,4531.5 4474.2,4531.5 4498.2,4531.5 4522.2,4531.5 5453,4543.2 5477,4543.2 5501,4543.2 5525,4543.2 4747,4551 4771,4551 4795,4551 4819,4551 4843,4551 4867,4551 4891,4551 4915,4551 4183.5,4554 4207.5,4554 4231.5,4554 4255.5,4554 4279.5,4554 4303.5,4554 4327.5,4554 4351.5,4554 4376.3,4554.9 4400.3,4554.9 4424.3,4554.9 4448.3,4554.9 4472.3,4554.9 4496.3,4554.9 4520.3,4554.9 5452.7,4566.1 5476.7,4566.1 5500.7,4566.1 5524.7,4566.1 4201.35,4574.8 4225.35,4574.8 4249.35,4574.8 4273.35,4574.8 4297.35,4574.8 4321.35,4574.8 4345.35,4574.8 4369.35,4574.8 4747,4575 4771,4575 4795,4575 4819,4575 4843,4575 4867,4575 4891,4575 4915,4575 4394.15,4575.7 4418.15,4575.7 4442.15,4575.7 4466.15,4575.7 4490.15,4575.7 4514.15,4575.7 4538.15,4575.7 5452.7,4590.1 5476.7,4590.1 5500.7,4590.1 5524.7,4590.1 4224.1,4597.5 4248.1,4597.5 4272.1,4597.5 4296.1,4597.5 4320.1,4597.5 4344.1,4597.5 4368.1,4597.5 4392.1,4597.5 4416.9,4598.4 4440.9,4598.4 4464.9,4598.4 4488.9,4598.4 4512.9,4598.4 4536.9,4598.4 5325.9,4615.8 5349.9,4615.8 5373.9,4615.8 5397.9,4615.8 5421.9,4615.8 5446.7,4616.7 5470.7,4616.7 5494.7,4616.7 5518.7,4616.7 4252.1,4620.7 4276.1,4620.7 4300.1,4620.7 4324.1,4620.7 4348.1,4620.7 4372.1,4620.7 4396.1,4620.7 4420.1,4620.7 4444.9,4621.6 4468.9,4621.6 4492.9,4621.6 4516.9,4621.6 4540.9,4621.6 4969.6,4638 4993.6,4638 5015,4638.7 5039,4638.7 5063,4638.7 5087,4638.7 5111,4638.7 5135,4638.7 5159.8,4639.6 5183.8,4639.6 5207.8,4639.6 5406.5,4641 5430.5,4641 5454.5,4641 5478.5,4641 5502.5,4641 5526.5,4641 5236.3,4641.5 5260.3,4641.5 5284.3,4641.5 5308.3,4641.5 5332.3,4641.5 5357.8,4642.4 5381.8,4642.4 4388.4,4644.7 4412.4,4644.7 4436.4,4644.7 4460.4,4644.7 4484.4,4644.7 4508.4,4644.7 4532.4,4644.7 4556.4,4644.7 4643.9,4648.8 4667.9,4648.8 4691.9,4648.8 4715.9,4648.8 4739.9,4648.8 4763.9,4648.8 4787.9,4648.8 4811.9,4648.8 4948.7,4661.8 4972.7,4661.8 4996.7,4661.8 5020.1,4662.4 5044.1,4662.4 5068.1,4662.4 5092.1,4662.4 5116.1,4662.4 5140.1,4662.4 5164.9,4663.3 5188.9,4663.3 5212.9,4663.3 5236.9,4663.3 5260.9,4663.3 5284.9,4663.3 5308.9,4663.3 5332.9,4663.3 5358.4,4664.2 5382.4,4664.2 5406.5,4665 5430.5,4665 5454.5,4665 5478.5,4665 5502.5,4665 5526.5,4665 4413.7,4668.9 4437.7,4668.9 4461.7,4668.9 4485.7,4668.9 4509.7,4668.9 4533.7,4668.9 4557.7,4668.9 4581.7,4668.9 4606.5,4669.8 4630.5,4669.8 4654.5,4669.8 4678.5,4669.8 4702.5,4669.8 4726.5,4669.8 4750.5,4669.8 4774.5,4669.8 4799.8,4670.7 4823.8,4670.7 4948.7,4684.3 4972.7,4684.3 4996.7,4684.3 5020.1,4684.9 5044.1,4684.9 5068.1,4684.9 5092.1,4684.9 5116.1,4684.9 5140.1,4684.9 5164.9,4685.8 5188.9,4685.8 5212.9,4685.8 5236.9,4685.8 5260.9,4685.8 5284.9,4685.8 5308.9,4685.8 5332.9,4685.8 5526.5,4686.34 5358.4,4686.7 5382.4,4686.7 5406.5,4686.9 5430.5,4686.9 5454.5,4686.9 5478.5,4686.9 5502.5,4686.9 4434.5,4691.7 4458.5,4691.7 4482.5,4691.7 4506.5,4691.7 4530.5,4691.7 4554.5,4691.7 4578.5,4691.7 4602.5,4691.7 4627.3,4692.6 4651.3,4692.6 4675.3,4692.6 4699.3,4692.6 4723.3,4692.6 4747.3,4692.6 4771.3,4692.6 4799.8,4693.2 4823.8,4693.2 4949.4,4706.8 4973.4,4706.8 4997.4,4706.8 5020.8,4707.4 5044.8,4707.4 5068.8,4707.4 5092.8,4707.4 5116.8,4707.4 5140.8,4707.4 5188.19,4706.89 5165.6,4708.3 5213.6,4708.3 5237.6,4708.3 5261.6,4708.3 4455.1,4713.2 4479.1,4713.2 4503.1,4713.2 4527.1,4713.2 4551.1,4713.2 4575.1,4713.2 4599.1,4713.2 4623.1,4713.2 4647.9,4714.1 4671.9,4714.1 4695.9,4714.1 4719.9,4714.1 4743.9,4714.1 4767.9,4714.1 4800.5,4715.7 4824.5,4715.7 4721.6,4926.2 4745.4,4926.7 4769.3,4926.8 4794.8,4927 5017.4,5057.5